# KiCad board V1.1_XT30_version.kicad_pcb (continued)
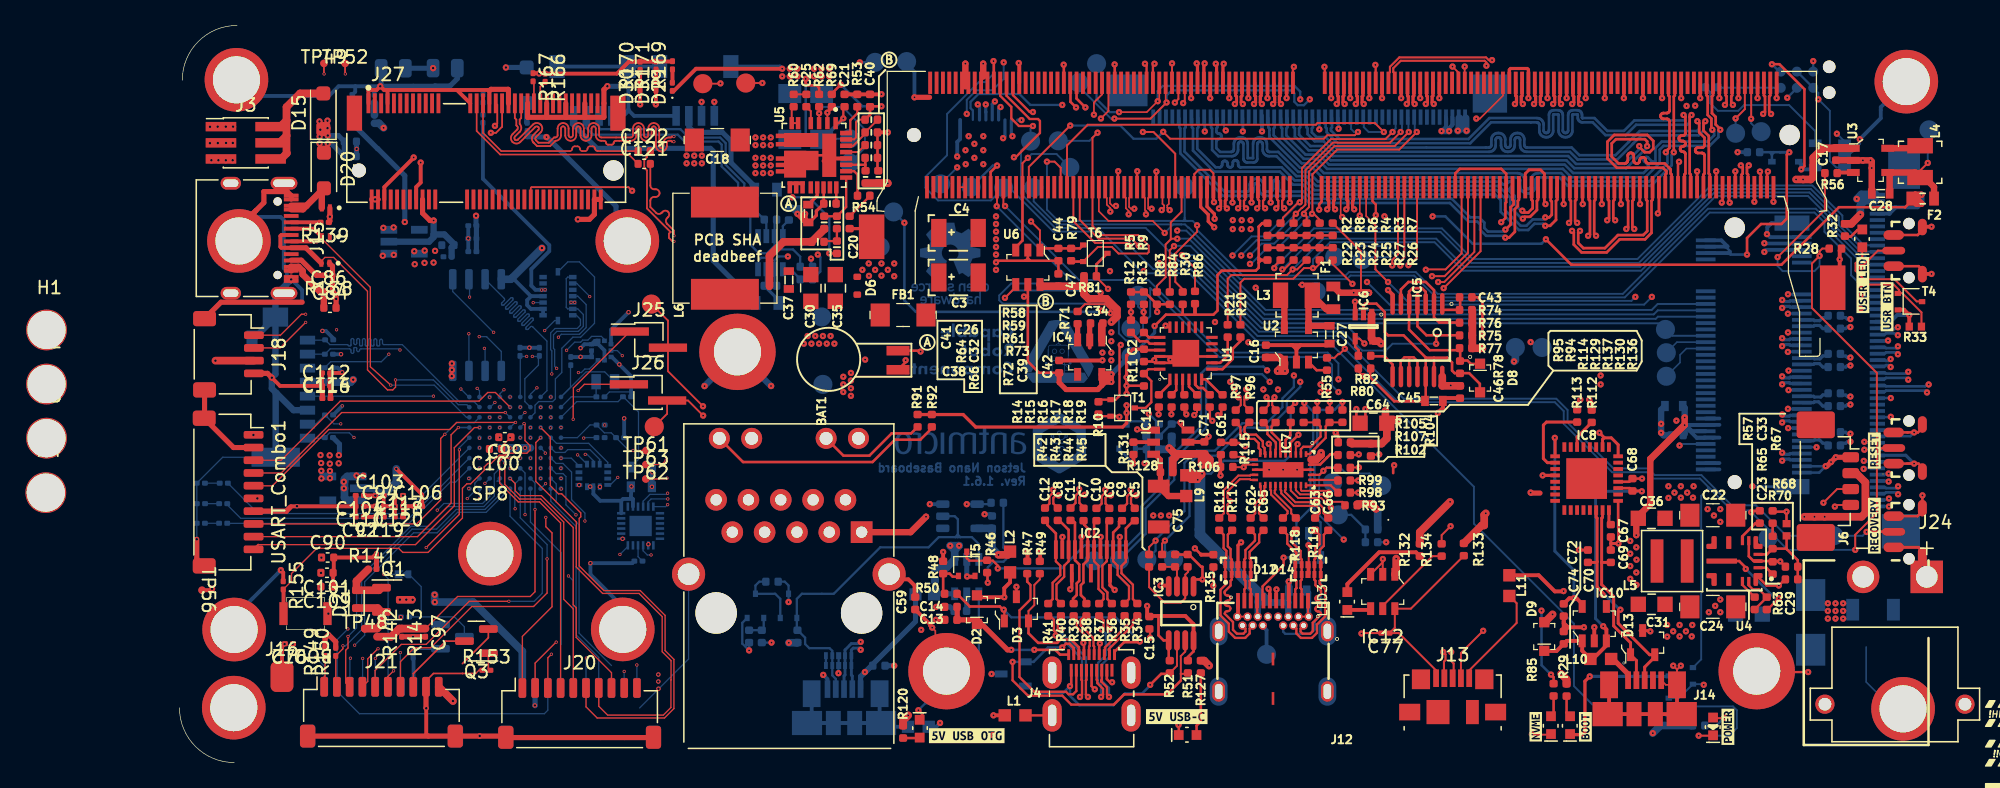
[diagram p0: board, top side]
## Routing (per net, layer and track width the routed paths; a pad name or vN(x,y) marks a point on that pad's centre or on a via; arc(x,y) is an arc through that point) (continued)
/Display/TMDS_D0_C_N: length 3.6
  Top w0.18: 70.2,11.52 70.5,11.22 70.5,10.65 71.51,9.64 71.51,9.16 71.46,9.12 J4.11
/Display/TMDS_D0_C_P: length 3.6
  Top w0.18: 71.1,11.52 70.8,11.22 70.8,10.77 71.81,9.77 71.81,9.16 71.86,9.12 J4.9
/Display/TMDS_D0_N: length 70.7
  Top w0.18: 70.05,20.05 70.4,20.39 70.4,20.97 70.68,21.25 v1(70.68,21.48)
  Top w0.25: 106.98,53.4 106.98,52.39 106.91,52.33 106.91,51.87 v1(107.04,51.74)
  In3_SIGNAL.Cu w0.18: v1(70.68,21.48) 69.2,22.96 69.21,23 69.22,23.04 69.24,23.07 69.27,23.1 69.3,23.12 69.34,23.13 69.38,23.14 69.41,23.14 69.45,23.14 69.49,23.16 69.52,23.18 69.55,23.21 69.57,23.24 69.58,23.28 69.59,23.32 69.58,23.36 69.57,23.4 69.55,23.43 69.52,23.46 69.49,23.48 69.45,23.49 69.41,23.5 69.38,23.5 69.34,23.5 69.3,23.52 69.27,23.54 69.24,23.57 69.22,23.6 69.21,23.64 69.2,23.68 69.21,23.72 69.22,23.76 69.24,23.79 69.27,23.82 69.3,23.84 69.34,23.85 69.38,23.86 69.41,23.86 69.45,23.86 69.49,23.88 69.52,23.9 69.55,23.93 69.57,23.96 69.58,24 69.59,24.04 69.58,24.08 69.57,24.12 69.55,24.15 69.52,24.18 69.49,24.2 69.45,24.21 69.41,24.22 69.38,24.22 69.34,24.22 69.3,24.24 69.27,24.26 69.24,24.29 69.22,24.32 69.21,24.36 69.2,24.4 69.2,25.28 69.19,25.38 69.16,25.47 69.11,25.55 69.04,25.61 68.96,25.66 68.88,25.69 68.78,25.7 68.6,25.7 68.57,25.71 68.54,25.72 68.52,25.73 68.49,25.76 68.48,25.78 68.47,25.81 68.46,25.85 68.46,25.92 68.47,25.95 68.48,25.98 68.49,26.01 68.52,26.03 68.54,26.05 68.57,26.06 68.6,26.06 68.78,26.06 68.88,26.07 68.96,26.11 69.04,26.16 69.11,26.22 69.16,26.3 69.19,26.39 69.2,26.48 69.2,26.58 69.19,26.68 69.16,26.77 69.11,26.85 69.04,26.91 68.96,26.96 68.88,26.99 68.78,27 68.6,27 68.57,27.01 68.54,27.02 68.52,27.03 68.49,27.06 68.48,27.08 68.47,27.11 68.46,27.15 68.46,27.22 68.47,27.25 68.48,27.28 68.49,27.31 68.52,27.33 68.54,27.35 68.57,27.36 68.6,27.36 68.78,27.36 68.88,27.37 68.96,27.41 69.04,27.46 69.11,27.52 69.16,27.6 69.19,27.69 69.2,27.78 69.2,34.55 70.2,35.55 70.2,44.13 73.38,47.31 103.81,47.31 107.04,50.53 v1(107.04,51.74)
/Display/TMDS_D0_P: length 70.7
  Top w0.18: v1(71.12,21.04) 70.89,21.04 70.7,20.85 70.7,20.39 71.05,20.05
  Top w0.25: v1(106.41,51.74) 106.54,51.87 106.54,52.33 106.48,52.39 106.48,53.4
  In3_SIGNAL.Cu w0.18: v1(106.41,51.74) 106.57,51.58 106.57,50.5 103.69,47.61 73.25,47.61 69.9,44.26 69.9,35.67 68.9,34.67 68.9,27.81 68.89,27.78 68.88,27.75 68.87,27.72 68.84,27.7 68.82,27.68 68.79,27.67 68.76,27.67 68.58,27.67 68.48,27.66 68.4,27.63 68.32,27.58 68.25,27.51 68.2,27.43 68.17,27.34 68.16,27.25 68.16,27.12 68.17,27.03 68.2,26.94 68.25,26.86 68.32,26.79 68.4,26.74 68.48,26.71 68.58,26.7 68.76,26.7 68.79,26.7 68.82,26.69 68.84,26.67 68.87,26.65 68.88,26.62 68.89,26.59 68.9,26.56 68.9,26.51 68.89,26.48 68.88,26.45 68.87,26.42 68.84,26.4 68.82,26.38 68.79,26.37 68.76,26.37 68.58,26.37 68.48,26.36 68.4,26.33 68.32,26.28 68.25,26.21 68.2,26.13 68.17,26.04 68.16,25.95 68.16,25.82 68.17,25.73 68.2,25.64 68.25,25.56 68.32,25.49 68.4,25.44 68.48,25.41 68.58,25.4 68.76,25.4 68.79,25.4 68.82,25.39 68.84,25.37 68.87,25.35 68.88,25.32 68.89,25.29 68.9,25.26 68.9,22.83 70.21,21.51 70.21,21.26 70.46,21.02 70.9,21.02 70.93,21.04 v1(71.12,21.04)
/Display/TMDS_D1_C_N: length 9.4
  Top w0.18: R37.2 72.6,11.17 72.6,10.62 v1(72.44,10.46) ; J4.8 72.06,6.5 72.11,6.46 72.11,6.24 72.56,5.79 72.56,5.32 v1(72.4,5.16)
  Bottom w0.18: v1(72.4,5.16) 72.4,6.05 72.17,6.29 72.17,7.83 72.77,8.44 72.77,10.12 v1(72.44,10.46)
/Display/TMDS_D1_C_P: length 9.4
  Top w0.18: v1(73.08,10.48) 72.91,10.65 72.91,11.18 R36.2 ; J4.6 72.46,6.5 72.41,6.46 72.41,6.37 72.86,5.91 72.86,5.32 v1(73.02,5.16)
  Bottom w0.18: v1(73.02,5.16) 73.02,5.86 72.47,6.41 72.47,7.71 73.08,8.31 73.08,10.48 v1(73.08,10.48)
/Display/TMDS_D1_N: length 70.7
  Top w0.18: 72.1,20 72.45,20.34 72.45,20.92 72.73,21.2 v1(72.73,21.43)
  Top w0.25: v1(108.54,51.74) 108.41,51.87 108.41,52.33 108.48,52.39 108.48,53.4
  In3_SIGNAL.Cu w0.18: v1(108.54,51.74) 108.38,51.58 108.38,49.82 105.16,46.61 78.16,46.61 77.22,45.66 73.12,45.66 71.1,43.64 71.1,34.84 70.5,34.25 70.5,31.43 70.51,31.39 70.52,31.36 70.53,31.34 70.56,31.31 70.59,31.29 70.62,31.28 70.65,31.28 70.83,31.28 70.92,31.27 71.01,31.24 71.09,31.19 71.16,31.12 71.21,31.04 71.24,30.95 71.26,30.85 71.26,30.74 71.24,30.64 71.21,30.55 71.16,30.47 71.09,30.4 71.01,30.35 70.92,30.32 70.83,30.31 70.65,30.31 70.62,30.31 70.59,30.3 70.56,30.28 70.53,30.25 70.52,30.23 70.51,30.2 70.5,30.16 70.5,23.21 71.52,22.19 71.55,22.17 71.58,22.15 71.62,22.14 71.66,22.14 71.7,22.15 71.74,22.17 71.77,22.19 71.89,22.32 71.93,22.34 71.96,22.36 72,22.37 72.04,22.37 72.08,22.36 72.12,22.34 72.15,22.32 72.17,22.29 72.19,22.25 72.2,22.21 72.2,22.17 72.19,22.13 72.17,22.09 72.15,22.06 72.03,21.94 72,21.91 71.98,21.87 71.97,21.83 71.97,21.79 71.98,21.75 72,21.72 72.03,21.69 72.3,21.41 72.71,21.41 v1(72.73,21.43)
/Display/TMDS_D1_P: length 70.7
  Top w0.18: 73.1,20 72.75,20.34 72.75,20.8 72.94,20.99 v1(73.17,20.99)
  Top w0.25: v1(107.91,51.74) 108.04,51.87 108.04,52.33 107.98,52.39 M1.71
  In3_SIGNAL.Cu w0.18: v1(73.17,20.99) 73.14,20.96 72.32,20.96 70.2,23.08 70.2,30.19 70.21,30.28 70.24,30.37 70.29,30.45 70.36,30.52 70.44,30.57 70.53,30.6 70.62,30.62 70.8,30.62 70.84,30.62 70.87,30.63 70.89,30.65 70.92,30.67 70.94,30.7 70.95,30.73 70.95,30.76 70.95,30.83 70.95,30.86 70.94,30.89 70.92,30.92 70.89,30.94 70.87,30.96 70.84,30.97 70.8,30.98 70.62,30.98 70.53,30.99 70.44,31.02 70.36,31.07 70.29,31.14 70.24,31.22 70.21,31.31 70.2,31.4 70.2,34.37 70.79,34.97 70.79,43.77 72.99,45.97 77.09,45.97 78.04,46.91 105.04,46.91 108.07,49.95 108.07,51.58 v1(107.91,51.74)
/Display/TMDS_D2_C_N: length 4
  Top w0.18: J4.5 72.66,8.79 72.71,8.84 72.71,9.04 74.6,10.93 74.6,11.18 R35.2
/Display/TMDS_D2_C_P: length 4
  Top w0.18: J4.3 73.06,8.79 73.01,8.84 73.01,8.92 74.9,10.81 74.9,11.18 R34.2
/Display/TMDS_D2_N: length 70.8
  Top w0.18: v1(74.73,21.43) 74.73,21.2 74.45,20.92 74.45,20.34 74.1,20
  Top w0.25: v1(110.04,51.74) 109.91,51.87 109.91,52.33 109.98,52.39 109.98,53.4
  In3_SIGNAL.Cu w0.18: v1(74.73,21.43) 74.59,21.29 74.48,21.29 74.06,21.72 74.03,21.75 74.02,21.79 74.01,21.82 74.01,21.87 74.02,21.9 74.03,21.94 74.06,21.97 74.15,22.06 74.17,22.09 74.19,22.13 74.2,22.17 74.2,22.21 74.19,22.25 74.17,22.28 74.15,22.31 74.11,22.34 74.08,22.36 74.04,22.37 74,22.37 73.96,22.36 73.92,22.34 73.89,22.31 73.8,22.23 73.77,22.2 73.74,22.18 73.7,22.18 73.66,22.18 73.62,22.18 73.58,22.2 73.55,22.23 71.9,23.87 71.9,26.16 71.9,26.18 71.91,26.2 71.92,26.22 71.94,26.23 71.96,26.24 71.98,26.25 72,26.25 72.17,26.25 72.26,26.26 72.34,26.29 72.41,26.33 72.47,26.39 72.51,26.46 72.54,26.54 72.55,26.63 72.55,26.85 72.54,26.93 72.51,27.01 72.47,27.08 72.41,27.14 72.34,27.18 72.26,27.21 72.17,27.22 72,27.22 71.98,27.22 71.96,27.23 71.94,27.24 71.92,27.26 71.91,27.28 71.9,27.29 71.9,27.32 71.9,42.95 73.51,44.56 77.21,44.56 78.51,45.86 105.86,45.86 109.88,49.87 109.88,51.58 v1(110.04,51.74)
/Display/TMDS_D2_P: length 70.8
  Top w0.18: 75.1,20 74.75,20.34 74.75,20.8 74.94,20.99 v1(75.17,20.99)
  Top w0.25: v1(109.41,51.74) 109.54,51.87 109.54,52.33 109.48,52.39 109.48,53.4
  In3_SIGNAL.Cu w0.18: v1(75.17,20.99) 74.98,20.99 74.95,20.97 74.51,20.97 74.48,20.99 74.36,20.99 71.6,23.75 71.6,26.18 71.61,26.26 71.63,26.34 71.68,26.42 71.74,26.47 71.81,26.52 71.89,26.55 71.97,26.56 72.15,26.56 72.17,26.56 72.19,26.57 72.21,26.58 72.22,26.59 72.23,26.61 72.24,26.63 72.24,26.65 72.24,26.82 72.24,26.84 72.23,26.86 72.22,26.88 72.21,26.9 72.19,26.91 72.17,26.91 72.15,26.92 71.97,26.92 71.89,26.93 71.81,26.95 71.74,27 71.68,27.06 71.63,27.13 71.61,27.21 71.6,27.29 71.6,43.07 73.39,44.86 77.09,44.86 78.39,46.16 105.74,46.16 109.57,50 109.57,51.58 v1(109.41,51.74)
/Display/TMDS_HPD_IN: length 19.4
  Top w0.18: v1(64.75,12.01) 64.8,11.96 D3.1
  Top w0.2: J4.1 73.46,8.7 74.21,9.45 75.39,9.45 v1(75.45,9.51) ; R50.1 62.09,12.26 64.45,12.26 64.7,12.01 v1(64.75,12.01)
  Bottom w0.18: v1(75.45,9.51) 73.55,11.41 65.35,11.41 v1(64.75,12.01)
/Display/TMDS_SCL: length 46.7
  Top w0.15: M1.100 100.73,40 99.47,38.75 97.94,38.75 v1(97.92,38.72) ; v1(76.68,17.43) 76.18,16.93 76.18,16.34
  In3_SIGNAL.Cu w0.15: v1(87.55,30.41) 87.75,30.61 87.75,32.5 90.36,35.11 95.65,35.11 97.85,37.31 97.85,38.65 v1(97.92,38.72)
  Bottom w0.18: v1(87.55,30.41) 87.55,29.51 86.65,28.61 86.65,27.91 85.4,26.66 83.5,26.66 81.34,24.5 79.91,24.5 78.95,23.54 78.95,19.76 76.68,17.49 v1(76.68,17.43) 76.68,16.64 TP28.1
/Display/TMDS_SCL_5V0: length 26.1
  Top w0.15: IC3.7 79.02,8.72 78.66,8.37 78.66,6.97 ; 79.22,6.97 78.67,6.97 78.66,6.97 ; 78.66,6.97 78.66,6.44
  Top w0.18: v1(65.45,7.91) 65.45,6.46 66.66,5.26 69.36,5.26 70.06,4.55 73.41,4.55
  Top w0.2: J4.17 70.26,8.99 69.92,9.33 69.63,9.33 v1(69.35,9.04) ; 78.66,6.44 77.58,5.35 74.21,5.35 73.41,4.55
  Bottom w0.18: v1(65.45,7.91) D4.1
  Bottom w0.2: v1(69.35,9.04) 68.23,9.04 67.1,7.91 D4.1
/Display/TMDS_SDA: length 46.3
  Top w0.15: M1.98 101.23,40.05 99.39,38.21 v1(98.4,38.21) ; v1(77.42,17.43) 77.2,17.21 77.2,16.34
  In3_SIGNAL.Cu w0.15: v1(88.05,29.91) 88.1,29.96 88.1,32.36 90.45,34.71 95.84,34.71 98.35,37.22 98.35,38.16 v1(98.4,38.21)
  Bottom w0.18: v1(88.05,29.91) 88.05,29.51 87,28.46 87,27.71 85.6,26.31 83.7,26.31 81.5,24.11 80,24.11 79.35,23.46 79.35,19.36 v1(77.42,17.43) 77.42,16.64 TP29.1
/Display/TMDS_SDA_5V0: length 18
  Top w0.15: 77.8,6.97 77.8,6.97 ; R52.2 78.37,7.6 78.37,9.59
  Top w0.2: J4.18 70.06,6.1 v1(69.96,6) ; 77.8,6.97 77.12,6.97 v1(76.26,6.1)
  Bottom w0.2: D4.2 66.7,6.01 67.25,5.46 69.41,5.46 v1(69.96,6) 69.96,5.24 70.69,4.5 73.36,4.5 74.28,5.43 75.63,5.43 76.26,6.05 v1(76.26,6.1)
/ID Serial/EEPROM_PWR: length 12.5
  Top w0.2: v1(127.41,46.6) 127.66,46.85 127.66,52.9 125.7,54.86 v1(125.1,54.86)
  Bottom w0.2: v1(125.1,54.86) 125.68,54.29 TP1.1
  Bottom w0.3: D1.C 127.41,47.01 v1(127.41,46.6) 128.36,46.6 IC1.4
/ID Serial/SN_WP: length 11.9
  Bottom w0.15: R1.1 120.26,52.68 120.26,51.8 120.86,51.2 122.46,51.2 122.91,51.65 126.46,51.65 128.51,49.6 IC1.5
/Interfaces/C_PCIE0_TX0_N: length 2.2
  Bottom w0.25: J7.47 128.37,34.28 128.43,34.34 128.86,34.34 129.11,34.09 129.53,34.09
/Interfaces/C_PCIE0_TX0_P: length 2.2
  Bottom w0.25: J7.49 128.37,34.78 128.43,34.72 128.86,34.72 129.11,34.96 129.53,34.96
/Interfaces/C_PCIE0_TX1_N: length 2.2
  Bottom w0.25: 129.53,31.07 129.11,31.07 128.84,31.34 128.43,31.34 128.37,31.28 J7.35
/Interfaces/C_PCIE0_TX1_P: length 2.2
  Bottom w0.25: J7.37 128.37,31.78 128.43,31.72 128.88,31.72 129.11,31.95 129.53,31.95
/Interfaces/C_PCIE0_TX2_N: length 2.2
  Bottom w0.25: 129.53,28.01 129.11,28.01 128.77,28.34 128.43,28.34 128.37,28.28 J7.23
/Interfaces/C_PCIE0_TX2_P: length 2.2
  Bottom w0.25: 129.53,28.88 129.11,28.88 128.94,28.72 128.43,28.72 128.37,28.78 J7.25
/Interfaces/C_PCIE0_TX3_N: length 2.2
  Bottom w0.25: 129.53,25.09 129.11,25.09 128.85,25.34 128.43,25.34 128.37,25.28 J7.11
/Interfaces/C_PCIE0_TX3_P: length 2.2
  Bottom w0.25: 129.53,25.96 129.11,25.96 128.86,25.72 128.43,25.72 128.37,25.78 J7.13
/Interfaces/CANH: length 25.5
  Bottom w0.18: J8.2 31.97,49.86 32.49,49.33 39.15,49.33 39.69,48.79 42.35,48.79 42.6,48.55 42.6,46.84 43.89,45.55 43.89,44.14 44.85,43.18 44.85,40.69 45.53,40.01 46.15,40.01 46.75,40.61 U7.7 46.75,42.5 R90.2
/Interfaces/CANL: length 20
  Bottom w0.18: J8.3 32.97,49.86 33.07,49.76 39.36,49.76 40.02,49.1 42.48,49.1 42.91,48.66 42.91,46.96 44.38,45.5 44.38,44.22 R90.1 46.1,42.5 U7.6
/NextPx4/AUX_PC0: length 3.1
  In3_SIGNAL.Cu w0.1: v4(31.75,25.49) 30.75,25.49 v4(29.98,24.72)
  Bottom w0.1: R152.2 31.79,25.53 v4(31.75,25.49)
/NextPx4/AUX_PC13: length 22.6
  Top w0.1: 28.94,6.63 28.94,8.23 v4(29.22,8.51)
  In2.Cu w0.1: 29.25,8.54 29.25,15.82 29.56,16.14 29.56,28.34 v4(29.18,28.72)
  In2.Cu w0.125: v4(29.22,8.51) 29.25,8.54 ; v4(29.18,28.72) 29.18,28.78
/NextPx4/AUX_PD4: length 23.2
  Top w0.1: v4(28.78,19.26) 28.78,18.53 29.27,18.04 29.27,12.24 26.94,9.91 26.94,6.63
  Top w0.125: 28.73,19.26 v4(28.78,19.26) 28.77,19.26 ; v4(25.16,26.31) 25.17,26.31
  In2.Cu w0.1: v4(25.16,26.31) 26.54,26.31 27.17,25.68 27.17,25.36 27.97,24.55 27.97,20.69 28.78,19.88 v4(28.78,19.26)
/NextPx4/AUX_PH1: length 21.7
  Top w0.1: J20.2 27.94,7.81 29.59,9.46
  Top w0.125: 29.59,9.46 v4(29.6,9.46)
  In2.Cu w0.1: v4(29.97,26.33) 30.37,25.93 30.37,15.02 29.6,14.25 v4(29.6,9.46)
/NextPx4/BAT_I: length 15.9
  Bottom w0.1: U22.K4 27.57,18.9 29.98,16.5 29.98,9.3 29.94,9.27 29.94,6.65
/NextPx4/BAT_V: length 22.9
  Top w0.1: v4(27.93,19.88) 27.93,13.42 27.56,13.05 21.85,13.05 C97.1
  Top w0.6: R142.2 16.63,9.89 17.27,10.53 R143.1 C97.1
  Bottom w0.1: v4(27.93,19.88) 27.93,19.88 27.93,21.96 U22.J4
/NextPx4/BMI_Accel_CS: length 12.9
  In2.Cu w0.1: v4(28.37,27.12) 28.76,27.51 28.76,29.5 30.93,31.67 30.93,33.3 32.25,34.62 32.25,36.59 v4(32.23,36.61)
  Bottom w0.1: v4(32.23,36.61) 32.23,36.63 31.22,37.64 30.89,37.64
/NextPx4/BMI_Accel_Data_RDY: length 17.8
  Bottom w0.1: 29.73,38.56 30.51,39.34 31.42,39.34 32.61,38.15 32.61,34.51 31.51,33.42 30.91,33.42 30.03,32.55 30.03,30.65 29.53,30.14 29.53,28.57 29.32,28.36 28.22,28.36 27.93,28.07 27.93,27.48 U22.C4
/NextPx4/BMI_Gryo_CS: length 11.3
  In2.Cu w0.1: v4(27.79,36.13) 30.14,33.78 30.14,33.26 29.65,32.77 29.65,32.09 27.65,30.09 27.65,28.64 v4(28.38,27.91)
  Bottom w0.1: v4(27.79,36.13) 27.8,36.14 U25.5
/NextPx4/BMI_Gyro_Data_RDY: length 13.8
  In2.Cu w0.1: v4(27.57,26.32) 27.57,26.32 27.57,28.4 27.43,28.55 27.43,30.19 29.28,32.04 29.28,32.93 v4(29.77,33.42)
  Bottom w0.1: 30.89,36.64 31.29,36.64 31.95,35.98 31.95,34.17 31.43,33.65 30,33.65 v4(29.77,33.42)
/NextPx4/BMP_Data_RDY: length 6.6
  In3_SIGNAL.Cu w0.1: 28.07,29.45 30.15,29.45 v4(31.34,30.64)
  Bottom w0.1: U27.7 32.2,30.92 31.85,30.92 31.57,30.64 v4(31.34,30.64) ; v4(28.08,29.44) 27.57,28.93 U22.A4
/NextPx4/Buzzer-: length 6.4
  Top w0.1: J21.8 18.37,6.98
  Top w0.125: Q3.3 20.93,9.54 18.37,6.98 ; J21.8 18.37,6.2
/NextPx4/Buzzer_RGB_LED: length 22.2
  Top w0.1: v4(19.38,16.89) 21.98,19.49 21.98,24.56 ; v4(16.82,7.21) 16.37,6.75 J21.6
  Top w0.15: v4(21.99,24.57) 21.98,24.56
  In2.Cu w0.1: v4(16.82,7.21) 16.82,14.33 v4(19.38,16.89)
  Bottom w0.1: U22.E10 21.99,24.74
  Bottom w0.15: 21.99,24.74 v4(21.99,24.57)
/NextPx4/Extern_I2C_INT_PE15: length 24.8
  Top w0.1: J21.3 13.05,6.26 13.05,8.82 13.24,9 v4(13.24,9.91)
  Bottom w0.1: v4(13.24,9.91) 13.91,10.58 13.91,14.3 15.64,16.03 15.64,16.03 15.88,16.26 15.88,16.27 18.18,18.57 19.55,18.57 21.1,20.11 23.91,20.11 24.73,20.94 24.73,22.68 U22.H7
/NextPx4/Extern_IMU_Heater: length 24.8
  Top w0.1: v4(28.88,16) 28.88,13.32 27.82,12.26 22.97,12.26 19.73,9.02 18.45,9.02 17.37,7.94 J21.7
  Bottom w0.1: U22.K5 26.77,19.23 28.88,17.12 v4(28.88,16)
/NextPx4/Extern_SPI_CS_1_PE13: length 26.7
  Top w0.1: v4(25.88,12.67) 22.77,12.67 19.38,9.28 17.43,9.28 15.37,7.22 J21.5
  Top w0.15: 15.37,6.45 J21.5
  Bottom w0.1: 25.97,21.52 25.97,19.36 28.5,16.83 28.5,13.3 27.87,12.67 v4(25.88,12.67)
  Bottom w0.15: U22.K6 25.97,21.52
/NextPx4/Extern_SPI_CS_2_PE14: length 20.7
  Top w0.1: v4(25.56,23.52) 25.56,21.85 26.71,20.7 28.38,20.7 30.19,18.9 30.19,12.83 30.94,12.07 30.94,6.63
  Bottom w0.1: v4(25.56,23.52) 25.56,23.53 U22.G7
/NextPx4/Extern_SPI_INT_1_PE10: length 20.9
  Top w0.1: U22.G6 v4(25.97,23.92) 25.39,23.92 25.15,23.68 25.15,21.94 26.62,20.48 28.29,20.48 29.94,18.82 29.94,6.63
/NextPx4/Extern_SPI_INT_2_PE11: length 22.9
  Top w0.1: 15.56,8.92 14.79,8.15 14.79,6.38 J21.4
  Top w0.15: 15.56,8.92 v4(15.6,8.94) 15.59,8.92
  In2.Cu w0.1: v4(25.98,23.12) 25.56,22.7 25.56,22.16 23.74,20.34 22.26,20.34 15.6,13.68 v4(15.6,8.94)
/NextPx4/I2C1_SCL: length 11.8
  In3_SIGNAL.Cu w0.1: v4(27.72,31.91) 27.73,31.9 29.92,31.9 v4(30.41,32.39)
  Bottom w0.1: U27.2 33.39,33.24 33.14,33.48 32.38,33.48 32.09,33.19 31.68,33.19 31.52,33.03 31.05,33.03 v4(30.41,32.39) ; v4(27.72,31.91) 28.23,31.91 R160.2 ; U22.B4 27.13,28.36 27.13,30.15 28.2,31.22 28.2,31.88 R160.2 ; R160.2 28.26,31.95
/NextPx4/I2C1_SDA: length 12.9
  In3_SIGNAL.Cu w0.1: v4(34.79,31.97) 34.65,31.97 34.12,31.45 31.33,31.45 31.25,31.53 27.57,31.53 27.27,31.83 v4(27.27,31.91)
  Bottom w0.1: U22.A5 26.77,31.93 R159.2 ; v4(27.27,31.91) 26.79,31.91 R159.2 ; U27.4 34.39,32.37 v4(34.79,31.97) ; R159.2 26.83,31.87
/NextPx4/I2C2_SCL: length 26
  Top w0.1: v4(11.44,8.38) 11.44,6.8 11.37,6.73 J21.1 11.44,6.02
  In2.Cu w0.1: v4(13.76,9.22) 12.92,8.38 v4(11.44,8.38)
  Bottom w0.1: U22.J7 24.96,22.11 25.1,22.11 25.53,21.67 25.53,21.1 24.09,19.66 21.86,19.66 20.24,18.05 18.39,18.05 14.55,14.21 14.55,10.01 v4(13.76,9.22)
/NextPx4/I2C2_SDA: length 23.5
  Top w0.1: J21.2 12.28,6.04 R150.1 12.84,8.94 v4(12.84,9.17)
  Bottom w0.1: v4(12.84,9.17) 13.05,9.17 14.31,10.43 14.31,14.38 15.73,15.8 15.73,15.8 16.1,16.17 16.1,16.17 18.27,18.34 20.2,18.34 21.75,19.89 24,19.89 25.17,21.06 U22.K7
/NextPx4/ICM_Data_RDY: length 7.8
  In3_SIGNAL.Cu w0.1: v4(28.37,23.92) 28.81,23.92 29.59,23.14 29.59,22.97 29.81,22.75 30.55,22.75 30.9,22.4 v4(34.43,22.4)
  Bottom w0.1: v4(34.43,22.4) 33.84,21.81 U24.4
/NextPx4/ICM_~{CS}: length 4.7
  In3_SIGNAL.Cu w0.1: v4(28.74,24.31) 29.51,23.54 30.13,23.54 30.76,24.17 v4(31.28,24.17)
  Bottom w0.1: v4(31.28,24.17) 31.29,24.17 U24.12 ; U22.F3 28.74,24.35 v4(28.74,24.31)
/NextPx4/LED_BLUE: length 21.5
  Bottom w0.1: D27.2 3.76,20.24 4.81,19.19 18.03,19.19 18.8,19.96 18.81,19.96 U22.G10
/NextPx4/LED_GREEN: length 20.8
  Bottom w0.1: U22.H10 21.68,22.03 21.27,22.03 18.03,18.79 3.76,18.79 D28.2
/NextPx4/LED_RED: length 22.1
  Bottom w0.1: U22.F10 17.61,19.56 6.19,19.56 D26.2
/NextPx4/MPU_Data_RDY: length 11.9
  In3_SIGNAL.Cu w0.1: v4(34.6,16.35) 34.6,16.76 31.51,19.85 29.82,19.85 28.6,21.07 28.21,21.07 27.96,21.32 27.96,22.77 27.61,23.12 v4(27.57,23.12)
  Bottom w0.1: U26.12 35.23,16.98 v4(34.6,16.35)
/NextPx4/MPU_~{CS}: length 14.7
  In3_SIGNAL.Cu w0.1: v4(38.35,21.16) 30.85,21.16 30.07,21.94 29.83,21.94 29.37,22.4 29.37,22.65 28.48,23.55 27.95,23.55 v4(27.57,23.92)
  Bottom w0.1: v4(38.35,21.16) 38.26,21.07 36.96,21.07 36.43,20.54 U26.22
/NextPx4/NRST: length 7.9
  Top w0.1: v4(35.64,24.52) TP61.1
  Bottom w0.1: v4(35.64,24.52) 35.31,24.52 C105.1 33.92,25.91 33.38,25.91 R154.2 32.25,26.52 31.25,25.52 U22.E1
/NextPx4/PWM/DSHOT_CH1: length 22.7
  In3_SIGNAL.Cu w0.1: v4(31.85,18.98) 31.85,9.19 33.37,7.67 v4(35.93,7.67)
  Bottom w0.1: J19.1 35.94,7.66 v4(35.93,7.67) ; U22.G2 29.59,23.5 30.12,23.5 30.8,22.82 30.8,20.65 31.85,19.6 v4(31.85,18.98)
/NextPx4/PWM/DSHOT_CH2: length 20.8
  In3_SIGNAL.Cu w0.1: v4(34.94,7.16) 33.55,7.16 31.52,9.19 31.52,12.89 31.15,13.26 v4(31.15,19.46)
  Bottom w0.1: v4(31.15,19.46) 30.36,20.25 30.36,22.47 30.13,22.7 29.59,22.7 U22.H2 ; v4(34.94,7.16) J19.2
/NextPx4/PWM/DSHOT_CH3: length 17.6
  Bottom w0.1: J19.3 33.94,6.85 ; U22.J2 29.6,21.89 29.6,20.47 31.39,18.68 31.39,10.17 33.94,7.62
/NextPx4/PWM/DSHOT_CH4: length 16.4
  Bottom w0.1: 32.94,6.65 32.94,8.26 31.16,10.04 31.16,18.45 31.15,18.45 31.15,18.55 29.17,20.53 U22.K2
/NextPx4/PWM/DSHOT_CH5: length 21.9
  In3_SIGNAL.Cu w0.1: v4(24.37,23.12) 24.37,20.7 24.45,20.62 28.4,20.62 29.56,19.46 29.56,14.54 31.27,12.82 31.27,8.91 v4(31.97,8.21)
  Bottom w0.1: v4(31.97,8.21) 31.94,8.18 31.94,6.65
/NextPx4/PWM/DSHOT_CH6: length 22.1
  In3_SIGNAL.Cu w0.1: 24.75,21.1 24.75,21 24.91,20.84 28.49,20.84 30.56,18.77 v4(30.56,14.66) ; 24.75,21.1 24.74,21.09 ; 24.75,21.1 24.75,23.54 v4(24.37,23.92)
  Bottom w0.1: v4(30.56,14.66) 30.93,14.29 30.93,6.66 ; 30.93,5.88 J19.6
/NextPx4/QSPI_BK1_IO0: length 19.8
  In2.Cu w0.1: v4(23.55,33.46) 22.86,32.77 22.86,32.09 arc(22.82,32.01) 22.74,31.98 22.49,31.98 arc(22.41,31.94) 22.37,31.87 arc(22.41,31.79) 22.49,31.75 23.23,31.75 arc(23.31,31.72) 23.34,31.64 arc(23.31,31.56) 23.23,31.53 22.49,31.53 arc(22.41,31.49) 22.37,31.42 arc(22.41,31.34) 22.49,31.3 23.23,31.3 arc(23.31,31.27) 23.34,31.19 arc(23.31,31.11) 23.23,31.08 22.49,31.08 arc(22.41,31.04) 22.37,30.97 arc(22.41,30.89) 22.49,30.85 23.23,30.85 arc(23.31,30.82) 23.34,30.74 arc(23.31,30.66) 23.23,30.63 22.49,30.63 arc(22.41,30.59) 22.37,30.52 arc(22.41,30.44) 22.49,30.4 22.74,30.4 arc(22.82,30.37) 22.86,30.29 22.86,24.64 v4(23.57,23.92)
  Bottom w0.1: v4(23.55,33.46) 24.12,33.46 25.28,32.3 U28.5
/NextPx4/QSPI_BK1_IO1: length 19.9
  In2.Cu w0.1: v4(22.73,21.52) 19.45,24.81 19.45,34.35 20.57,34.35 v4(22.79,36.57)
  Bottom w0.1: v4(22.79,36.57) 22.79,37.92 U28.2
/NextPx4/QSPI_BK1_IO2: length 22.9
  Bottom w0.1: U22.A3 28.87,29.22 28.87,33.11 27.74,34.24 arc(27.66,34.27) 27.58,34.24 27.39,34.05 arc(27.31,34.01) 27.23,34.05 arc(27.2,34.13) 27.23,34.21 27.77,34.75 arc(27.81,34.83) 27.77,34.9 arc(27.69,34.94) 27.61,34.9 27.08,34.37 arc(27,34.33) 26.92,34.37 arc(26.88,34.45) 26.92,34.53 27.45,35.06 arc(27.49,35.14) 27.45,35.22 arc(27.38,35.26) 27.3,35.22 26.76,34.68 arc(26.68,34.65) 26.6,34.68 arc(26.57,34.76) 26.6,34.84 27.14,35.38 arc(27.17,35.46) 27.14,35.54 arc(27.06,35.57) 26.98,35.54 26.44,35 arc(26.36,34.97) 26.28,35 arc(26.25,35.08) 26.28,35.16 26.82,35.7 arc(26.85,35.78) 26.82,35.86 arc(26.74,35.89) 26.66,35.86 26.12,35.32 arc(26.04,35.29) 25.96,35.32 arc(25.93,35.4) 25.96,35.48 26.5,36.02 arc(26.53,36.1) 26.5,36.18 arc(26.42,36.21) 26.34,36.18 25.8,35.64 arc(25.72,35.61) 25.64,35.64 arc(25.61,35.72) 25.64,35.8 26.18,36.34 arc(26.21,36.42) 26.18,36.5 arc(26.1,36.53) 26.02,36.5 25.48,35.96 arc(25.4,35.92) 25.33,35.96 arc(25.29,36.04) 25.33,36.12 25.52,36.31 arc(25.55,36.39) 25.52,36.47 U28.3
/NextPx4/QSPI_BK1_IO3: length 19.8
  In2.Cu w0.1: v4(22.73,22.32) 22.56,22.32 19.73,25.15 19.73,25.29 arc(19.76,25.37) 19.84,25.4 20.09,25.4 arc(20.16,25.44) 20.2,25.52 arc(20.16,25.59) 20.09,25.63 19.84,25.63 arc(19.76,25.66) 19.73,25.74 arc(19.76,25.82) 19.84,25.85 20.09,25.85 arc(20.16,25.89) 20.2,25.97 arc(20.16,26.04) 20.09,26.08 19.84,26.08 arc(19.76,26.11) 19.73,26.19 arc(19.76,26.27) 19.84,26.3 20.09,26.3 arc(20.16,26.34) 20.2,26.42 arc(20.16,26.49) 20.09,26.53 19.84,26.53 arc(19.76,26.56) 19.73,26.64 arc(19.76,26.72) 19.84,26.75 20.09,26.75 arc(20.16,26.79) 20.2,26.87 arc(20.16,26.94) 20.09,26.98 19.84,26.98 arc(19.76,27.01) 19.73,27.09 19.73,27.57 22.03,29.87 22.03,32.99 v4(22.73,33.69)
  Bottom w0.1: U28.7 22.74,33.68 v4(22.73,33.69)
/NextPx4/QSPI_BK1_~{CS}: length 19.8
  In2.Cu w0.1: v4(24.68,33.8) 24.68,33.77 24.89,33.56 arc(24.97,33.53) 25.05,33.56 25.23,33.74 arc(25.31,33.77) 25.39,33.74 arc(25.42,33.66) 25.39,33.58 24.87,33.06 arc(24.84,32.99) 24.87,32.91 arc(24.95,32.87) 25.03,32.91 25.54,33.42 arc(25.62,33.45) 25.7,33.42 arc(25.74,33.34) 25.7,33.26 25.19,32.75 arc(25.16,32.67) 25.19,32.59 arc(25.27,32.55) 25.35,32.59 25.86,33.1 arc(25.94,33.13) 26.02,33.1 arc(26.05,33.02) 26.02,32.94 25.51,32.43 arc(25.48,32.35) 25.51,32.27 arc(25.59,32.24) 25.67,32.27 26.18,32.78 arc(26.26,32.82) 26.34,32.78 arc(26.37,32.7) 26.34,32.62 25.83,32.11 arc(25.79,32.03) 25.83,31.95 arc(25.91,31.92) 25.99,31.95 26.5,32.46 arc(26.58,32.5) 26.66,32.46 arc(26.69,32.38) 26.66,32.31 26.48,32.13 arc(26.45,32.05) 26.48,31.97 26.78,31.67 26.78,27.93 v4(26.77,27.92)
  Bottom w0.1: v4(24.68,33.8) 24.67,33.8 21.47,37 U28.1
/NextPx4/QSPI_CLK: length 19.8
  In2.Cu w0.1: v4(23.95,32.54) 23.95,31.96 arc(23.92,31.88) 23.84,31.85 23.76,31.85 arc(23.68,31.81) 23.65,31.74 arc(23.68,31.66) 23.76,31.62 24.3,31.62 arc(24.38,31.59) 24.41,31.51 arc(24.38,31.43) 24.3,31.4 23.76,31.4 arc(23.68,31.36) 23.65,31.29 arc(23.68,31.21) 23.76,31.17 24.3,31.17 arc(24.38,31.14) 24.41,31.06 arc(24.38,30.98) 24.3,30.95 23.76,30.95 arc(23.68,30.91) 23.65,30.84 arc(23.68,30.76) 23.76,30.72 24.3,30.72 arc(24.38,30.69) 24.41,30.61 arc(24.38,30.53) 24.3,30.5 23.61,30.5 arc(23.53,30.46) 23.5,30.39 arc(23.53,30.31) 23.61,30.27 24.3,30.27 arc(24.38,30.24) 24.41,30.16 arc(24.38,30.08) 24.3,30.05 23.61,30.05 arc(23.53,30.01) 23.5,29.94 arc(23.53,29.86) 23.61,29.82 24.3,29.82 arc(24.38,29.79) 24.41,29.71 arc(24.38,29.63) 24.3,29.6 24.07,29.6 arc(23.99,29.56) 23.95,29.49 23.95,28.05 23.54,27.64 23.54,26.9 24,26.44 24,25.37 24.22,25.15 24.71,25.15 25.55,24.31 26.38,24.31 v4(26.77,23.92)
  Bottom w0.1: U28.6 24.01,32.48 v4(23.95,32.54)
/NextPx4/SBUS: length 1.5
  Bottom w0.3: R148.2 18.39,8.22 18.39,6.74
/NextPx4/SCLK: length 24
  Top w0.1: v4(38.23,23.75) 37.9,23.42 TP63.1
  In5_3V3_SYS_SIGNAL.Cu w0.1: v4(38.23,23.75) 38.23,24.24 38.57,24.58 38.57,29.68 38.43,29.82 23.81,29.82 v4(23.39,29.4)
  Bottom w0.1: v4(23.39,29.4) 23.57,29.21 U22.A9
